# Altium PCB AudioBoxAmpV3-3.PcbDoc (part 2 of 2)
Units mil, origin at the board's own origin, x right, y up, seen from the top; angles counter-clockwise.
Board outline 3662 x 3693 mil, 4 copper layers (Top Layer, GND-2, VCC-3, Bottom Layer), stack 23.756 mil thick; 215 components, 159 nets, 712 pads, 147 vias.
Unrouted connection lines stored in the file: 1.
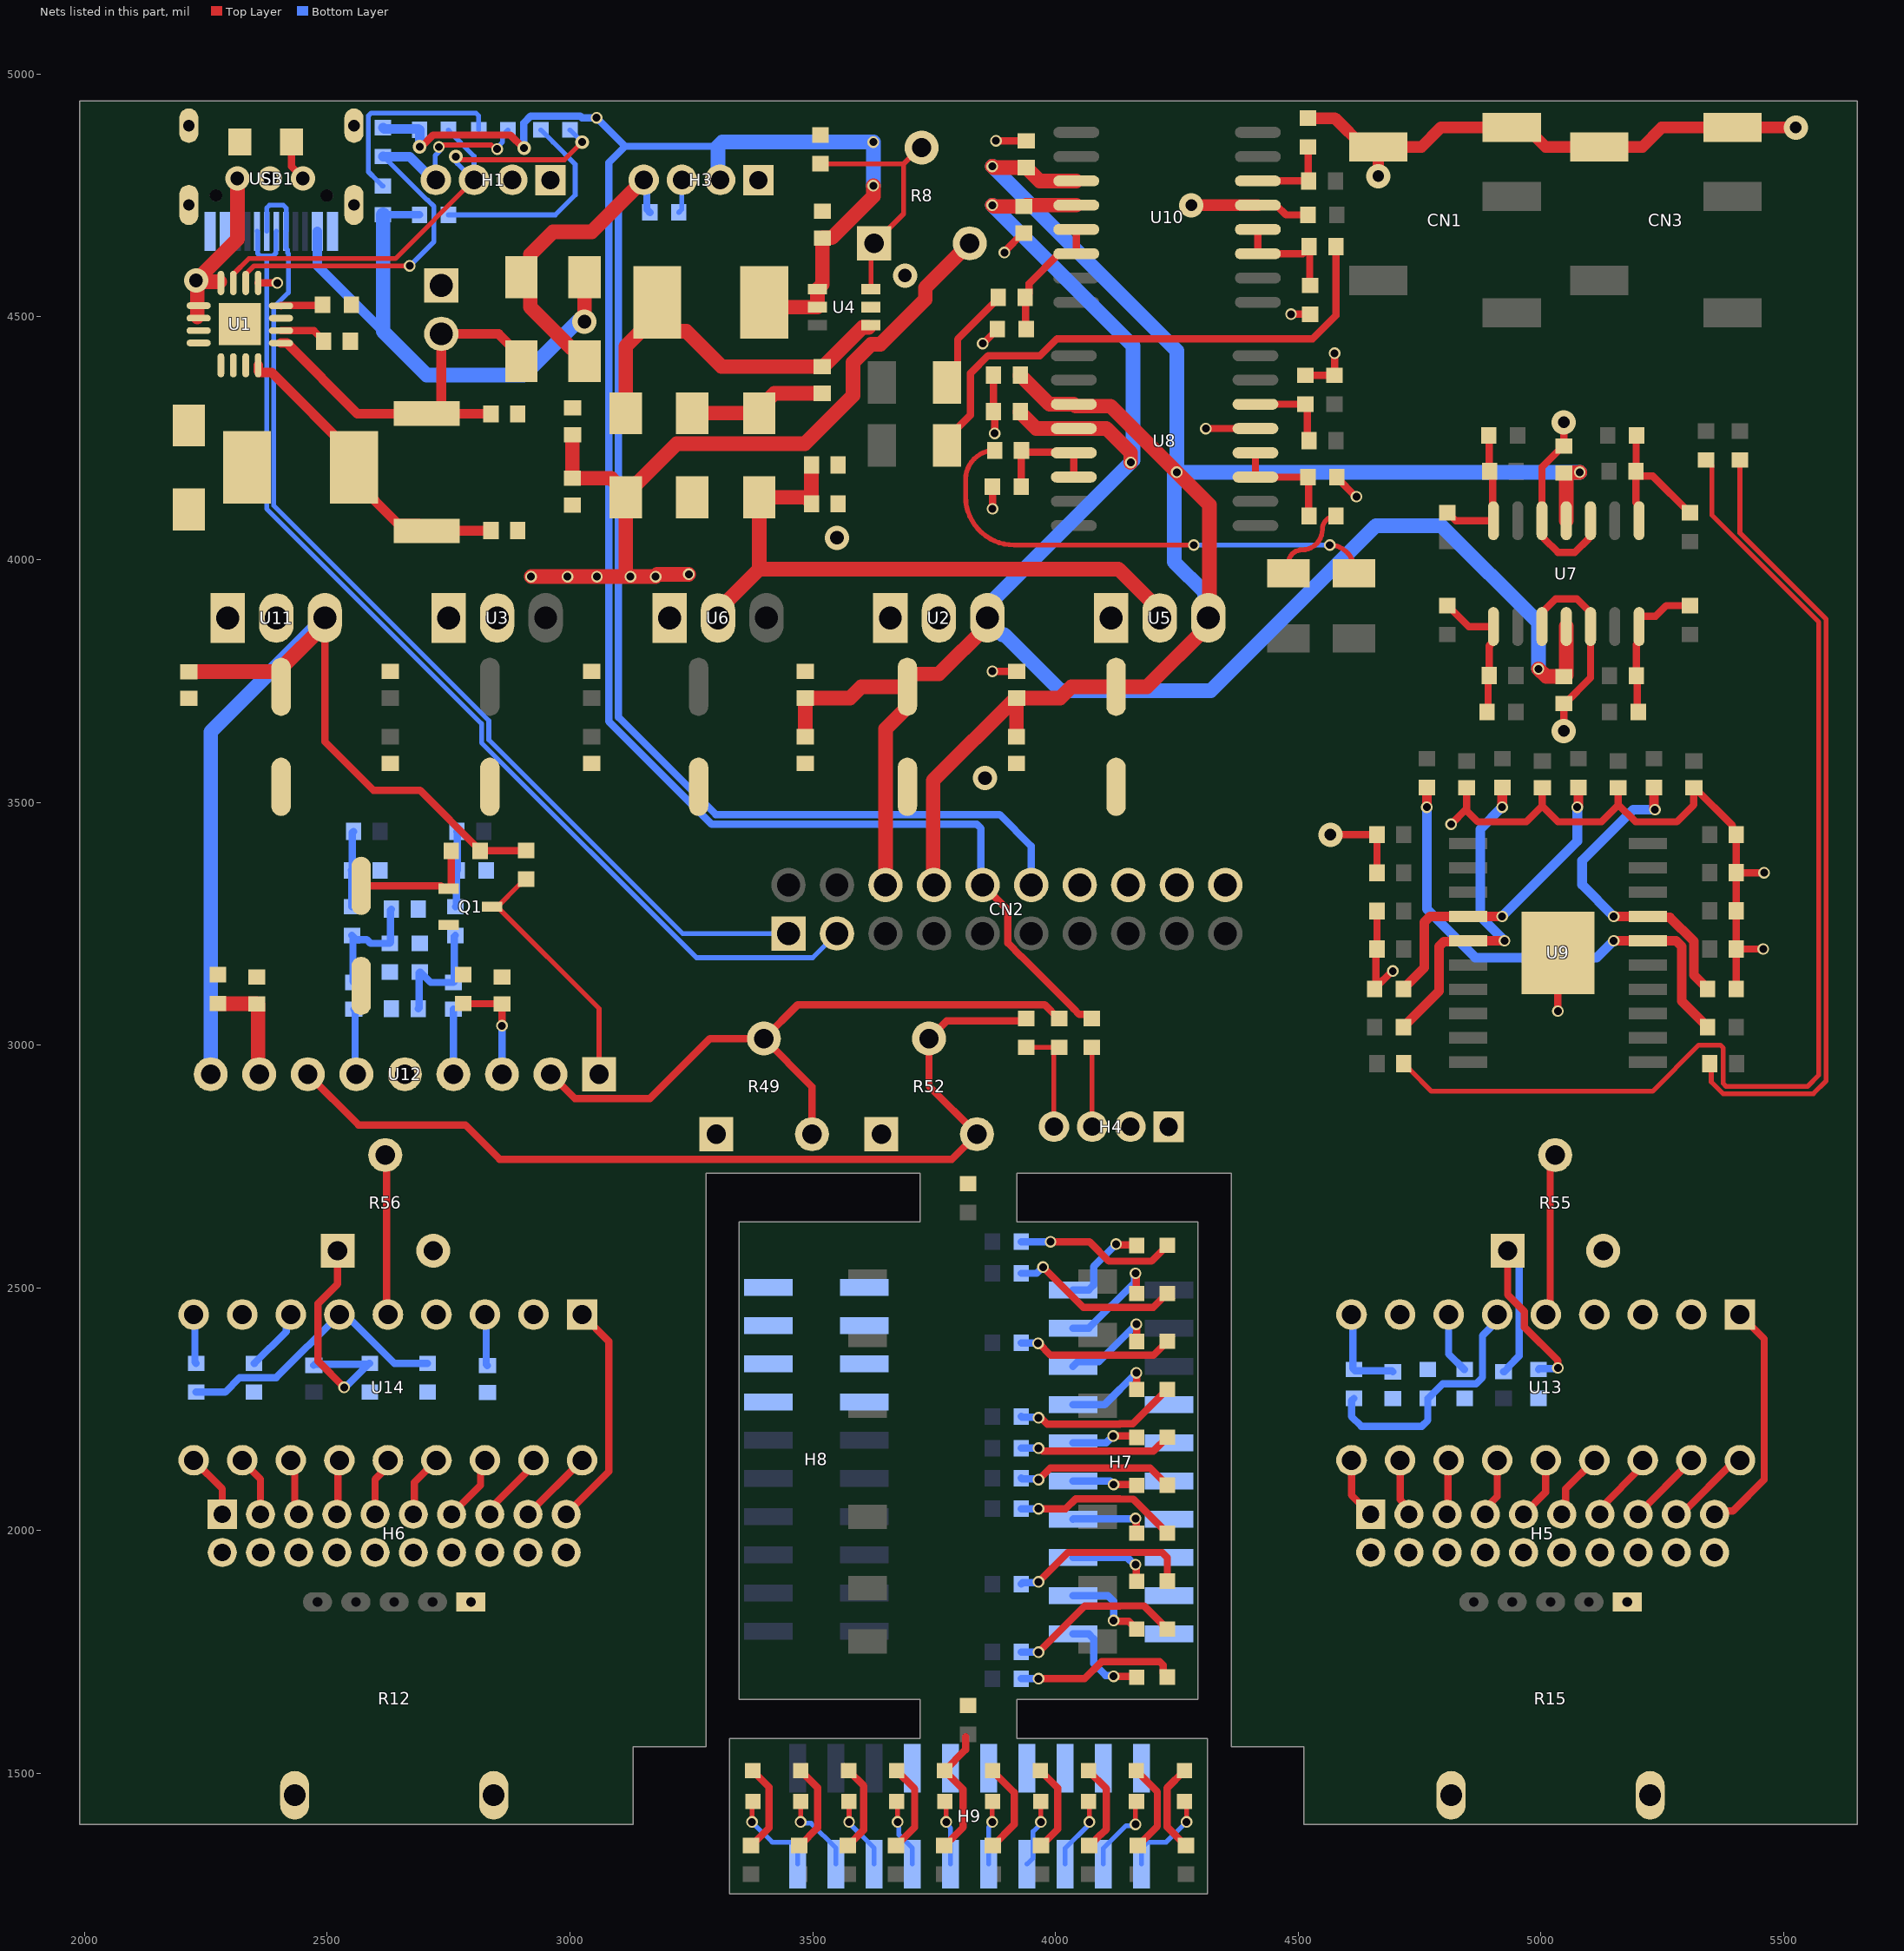
[diagram p4: the nets of this part, all layers, seen from the top]

## Via types
v1: diameter 24, hole 16, Top Layer to Bottom Layer, tented both sides, 124 vias
v2: diameter 50, hole 28, Top Layer to Bottom Layer, tented both sides, 12 vias
v3: diameter 50, hole 24, Top Layer to Bottom Layer, tented both sides, 6 vias
v4: diameter 28, hole 16, Top Layer to Bottom Layer, tented both sides, 4 vias
v5: diameter 50, hole 28, Top Layer to Bottom Layer, 1 vias

## Nets (pads, with @x,y where several pads share a name; then routed paths per layer and width w, separated by ;. In a path a pad name is that pad's centre, name@x,y a point inside that pad or via, vN(x,y) a via of type N, cw(c..) or ccw(c..) an arc to the next point about the centre after c; other vN are vias at no path point) (continued)
GND: C1.2 C2.2 C3.2 C4.2 C5.2 C6.2 C7.2 C8.2 C9.2 C10.2 C11.2 C13.2 C14.2 C15.1 C16.2 C17.2 C18.1 C19.2 C20.2 C21.2 C22.2 C25.1 C26.1 C31.1 C32.1 C33.1 C34.1 C35.1 C36.1 C37.1 C38.1 C39.2 C41.1 C46.2 C48.2 C49.2 C50.2 C51.2 C52.1 C53.2 C55.1 C56.2 C57.2 C60.1 C61.1 C62.2 C66.2 C67.2 CN1.1 CN1.5 CN2.14 CN2.16 CN2.18 CN2.20 CN3.1 CN3.5 D4.2 D8.1 H1.1 H1.2 H2.1 H3.1 H4.1 H4.2 H5.14 H5.15 H5.16 H5.17 H5.18 H5.19 H5.20 H6.14 H6.15 H6.16 H6.17 H6.18 H6.19 H6.20 H7.11 H7.12 H7.13 H7.14 H7.15 H7.16 H7.17 H8.7 H8.8 H8.9 H8.10 H8.11 H8.12 H8.13 H8.14 H9.11 H9.12 H9.13 H9.14 H9.15 H9.16 H9.17 Q1.2 R5.2 R9.1 R12.1 R12.6 R15.1 R15.6 R20.2 R21.1 R22.1 R23.1 R30.1 R31.1 R34.2 R35.1 R36.1 R37.1 R40.1 R41.1 R42.1 R44.2 R45.1 R47.1 R49.1 R52.1 R53.1 R54.1 R55.2 R56.2 R58.2 R59.2 R61.2 R62.2 R84.1 U1.6 U1.7 U1.11 U1.17 U2.2 U3.2 U4.2 U5.1 U6.1 U7.3 U7.5 U7.10 U7.12 U8.5 U9.21 U10.5 U11.2 U12.5 U13.2 U13.4 U13.8 U14.2 U14.4 U14.8 USB1.A1B12 USB1.B1A12 USB1.EP | length 4727.2
  Top Layer w15: v1(3850.34,4445) 3851.48,4445 3880.34,4473.87 R35.1@3880.34,4475 ; v1(3870.17,3769.83) C16.2@3920,3769.83 ; v1(3870.34,4104.65) R21.1@3870.34,4150 ; C41.1@3872.45,4380 C39.2@3872.45,4305 3875,4302.44 v1(3875,4260) ; v1(3877.45,4862.56) C52.1@3940,4862.56 ; v1(3895,4632.44) 3895,4634.41 3933.03,4672.44 C46.2@3935,4672.44 ; v1(4310,4270) U8.5@4412.02,4270 ; U10.5@4417.02,4730 4455.03,4730 4475.03,4710 R36.1@4520.35,4710 ; v1(4485.35,4505.35) R34.2@4525,4505.35 ; R23.1@4515,4379.65 R22.1@4575,4379.65 v1(4575,4425) ; v3(4566.52,3433.48) C37.1@4662.44,3433.48 C38.1@4662.44,3354.91 ; R20.2@4579.65,4170 4579.65,4168.87 4618.87,4129.65 v1(4620,4129.65) ; R30.1@4657.54,3115.25 4657.54,3116.38 R30.1@4659.99,3118.83 ; C36.1@4662.44,3276.34 C35.1@4662.44,3197.76 4659.99,3195.31 R30.1@4659.99,3118.83 ; v1(4695,3152.7) 4693.87,3152.7 R30.1@4659.99,3118.83 ; v1(4815,3455) 4846.95,3486.95 ; C51.2@4846.95,3530 4846.95,3486.95 ; U7.3@5002.23,3862.14 5002.23,3890.96 5030.06,3918.79 5074.4,3918.79 5102.23,3890.96 U7.5@5102.23,3862.14 5102.23,3756.64 5049.2,3703.6 C25.1@5047.23,3703.6 v3(5047.23,3647.23) ; C49.2@5002.97,3530 5002.97,3492.97 ; v1(5035,3070) U9.21@5035,3190 ; v3(5047.23,4282.77) C26.1@5047.23,4233.71 5045.26,4233.71 5002.23,4190.68 5002.23,4049.3 5006.03,4045.5 5006.03,4043.97 5035,4015 5070,4015 5098.43,4043.43 5098.43,4045.5 5102.23,4049.3 U7.10@5102.23,4080.17 ; C48.2@5158.98,3530 5158.98,3496.02 ; R31.1@5402.46,3115.25 5402.51,3115.29 5402.51,3197.93 C33.1@5402.56,3197.98 ; v1(5457.98,3197.98) C33.1@5402.56,3197.98 ; v1(5459.88,3355.12) C31.1@5402.56,3355.12 ; 4846.95,3486.95 4846.95,3483.05 4870,3460 4970,3460 5002.97,3492.97 ; 5002.97,3492.97 5002.97,3492.03 5035,3460 5125,3460 5158.98,3493.98 5158.98,3496.02 ; 5158.98,3496.02 5195,3460 5280,3460 5315,3495 C50.2@5315,3530 5316.97,3530 5394.31,3452.66 5394.31,3441.94 C32.1@5402.56,3433.7 C31.1@5402.56,3355.12 ; C33.1@5402.56,3197.98 C34.1@5402.56,3276.55 C31.1@5402.56,3355.12
  Top Layer w24: v3(4280,4730) U10.5@4417.02,4730 ; R37.1@4520,4909.31 4575.69,4909.31 4635,4850 CN1.5@4665,4850 ; v3(4665,4790) CN1.5@4665,4850 ; v3(5525,4890) CN3.1@5395,4890 5248.86,4890 5208.86,4850 CN3.5@5120,4850 5010,4850 4970,4890 CN1.1@4940,4890 4793.86,4890 4753.86,4850 CN1.5@4665,4850
  other v2: 3855,3550 3550,4045 3690,4585
NetC1_1: C1.1 U1.10 | length 97.7
  Top Layer w15: U1.10@2404.8,4471.6 2472.81,4471.6 2492.45,4451.97 C1.1@2492.45,4450
NetC4_1: C4.1 L1.1 R7.2 U1.8 | length 658.1
  Top Layer w20: U1.8@2357.8,4400.2 2357.8,4388.31 2360.91,4385.2 2385.63,4385.2 2555.24,4215.59 L1.1@2555.24,4190 2555.24,4164.41 2645.12,4074.53 2689.75,4074.53 R7.2@2705,4059.28 2705.36,4059.64 2837.09,4059.64 C4.1@2837.45,4060
NetC12_2: C12.2 D7.1 D8.2 | length 290.1
  Top Layer w30: D8.2@3252.14,4301.61 D7.1@3390,4301.61 3390,4311.16 3421.28,4342.44 C12.2@3519.79,4342.44
NetC23_2: C23.2 R10.2 R13.1 U7.1 | length 294.2
  Top Layer w15: R13.1@4807.23,3905.21 4808.36,3905.21 4851.43,3862.14 U7.1@4902.23,3862.14 4902.23,3831.27 4893.47,3822.51 C23.2@4893.47,3761.16 4891.33,3759.01 4891.33,3688.31 R10.2@4889.18,3686.16
NetC24_1: C24.1 R11.1 R14.1 U7.14 | length 281.7
  Top Layer w15: R14.1@4807.23,4096.42 4808.36,4096.42 4824.6,4080.17 U7.14@4902.23,4080.17 4900.78,4081.63 4900.78,4175.14 C24.1@4894.08,4181.83 4893.33,4182.59 4893.33,4255.4 R11.1@4892.57,4256.16
NetC27_2: C27.2 R16.2 R18.2 U7.7 | length 313.5
  Top Layer w15: R18.2@5200.63,3686.16 5198.48,3688.31 5198.48,3758.8 C27.2@5196.34,3760.95 5196.34,3825.37 5202.23,3831.27 U7.7@5202.23,3862.14 5202.23,3879.95 5205.74,3883.46 5236.38,3883.46 5258.13,3905.21 R16.2@5307.23,3905.21
NetC28_1: C28.1 R17.2 R19.1 U7.8 | length 325.3
  Top Layer w15: R19.1@5196.88,4256.16 5196.3,4255.58 5196.3,4182.63 C28.1@5195.73,4182.05 C28.1@5195.73,4180.08 ; U7.8@5202.23,4080.17 5202.23,4111.05 5195.73,4117.55 C28.1@5195.73,4180.08 ; R17.2@5307.23,4096.42 5306.1,4096.42 5230.68,4171.83 5203.97,4171.83 C28.1@5195.73,4180.08
NetC29_1: C29.1 R21.2 U8.13 U8.14 | length 235.2
  Top Layer w15: R21.2@3929.66,4150 3929.83,4150.17 3929.83,4224.83 C29.1@3930,4225 3933.55,4221.45 4036.53,4221.45 U8.13@4037.98,4220 U8.14@4037.98,4170
NetC29_2: C29.2 L4.1 | length 1022.8
  Top Layer w10: C29.2@3874.89,4225 ccw(c3874.89,4165.11) 3815,4165.11 3815,4130 ccw(c3915,4130) 3915,4030 v1(4285,4030) ; v1(4565,4030) cw(c4565,3980) 4615,3980 L4.1@4615,3972.05
  Bottom Layer w10: v1(4285,4030) v1(4565,4030)
NetC30_1: C30.1 R20.1 U8.3 U8.4 | length 242.1
  Top Layer w15: U8.4@4412.02,4220 4410,4220 4412.02,4217.98 U8.3@4412.02,4170 R20.1@4520.35,4170 4521.4,4168.95 4521.4,4091.05 C30.1@4522.44,4090
NetC30_2: C30.2 L3.1 | length 173.6
  Top Layer w10: L3.1@4480,3972.05 4480,3992.45 cw(c4507.56,3992.45) 4507.56,4020 ccw(c4507.56,4062.45) 4550,4062.45 cw(c4577.56,4062.45) C30.2@4577.56,4090
NetC40_2: C40.2 R23.2 U8.6 | length 181.6
  Top Layer w15: U8.6@4412.02,4320 4412.19,4320.17 4514.83,4320.17 R23.2@4515,4320.35 4518.72,4316.62 4518.72,4248.72 C40.2@4522.44,4245
NetC42_2: C42.2 R24.2 | length 2370.8
  Top Layer w10: C42.2@4717.56,2962.05 4717.56,2960.08 4728.3,2949.33 4730.27,2949.33 4774.6,2905 5230,2905 5325,3000 5369.75,3000 5375.61,2994.14 5375.61,2920.86 5381.47,2915 5549.14,2915 5572.5,2938.36 5572.5,3871.29 5352.01,4091.78 5352.01,4194.47 5341.13,4205.35 R24.2@5340,4205.35
NetC43_1: C43.1 R25.1 | length 1649
  Top Layer w10: C43.1@5348.06,2962.05 5350.95,2959.15 5350.95,2924.31 5375.25,2900 5460.36,2900 5561.21,2900 5587.5,2926.29 5587.5,3877.5 5410,4055 R25.1@5410,4205.35
NetC44_1: C44.1 R34.1 U10.3 U10.4 | length 244.2
  Top Layer w15: U10.4@4417.02,4680 U10.3@4417.02,4630 4509.41,4630 4522.44,4643.03 C44.1@4522.44,4645 4523.72,4643.72 4523.72,4565.93 R34.1@4525,4564.65
NetC44_2: C44.2 L5.1 | length 1112.8
  Top Layer w15: L5.1@3777.05,4235 3777.05,4249.69 3825.04,4297.68 3825.04,4383.74 3861.3,4420 3968.37,4420 4003.37,4455 4530,4455 4577.56,4502.56 C44.2@4577.56,4645
NetC45_1: C45.1 R35.2 U10.13 U10.14 | length 270.6
  Top Layer w15: R35.2@3939.66,4475 3938.61,4476.05 3938.61,4538.95 C45.1@3937.55,4540 3945.8,4548.25 3945.8,4568.78 4007.03,4630 U10.14@4042.98,4630 U10.13@4042.98,4680
NetC45_2: C45.2 L6.2 | length 218.7
  Top Layer w15: L6.2@3777.05,4365 3798.56,4386.52 3798.56,4454.15 3882.45,4538.03 C45.2@3882.45,4540
NetC47_2: C47.2 R37.2 U10.6 | length 175.6
  Top Layer w15: U10.6@4417.02,4780 C47.2@4521.84,4780 4520.92,4780.92 4520.92,4849.08 R37.2@4520,4850
NetC53_1: C53.1 Q1.1 R38.2 | length 263.9
  Top Layer w15: C53.1@2570,3328 2734.13,3328 2739.73,3322.4 Q1.1@2750.32,3322.4 2752.72,3322.4 2755.69,3325.37 R38.2@2755.69,3400
NetC55_2: C55.2 R41.2 U12.3 | length 225.3
  Top Layer w15: R41.2@2780,3085.7 2780.35,3085.35 2859.65,3085.35 C55.2@2860,3085 v1(2860,3040)
  Bottom Layer w15: U12.3@2860,2940 v1(2860,3040)
NetC58_1: C58.1 C61.2 R43.1 R44.1 | length 253
  Bottom Layer w15: C61.2@2687.55,3075 2689.14,3076.58 2689.14,3148.76 R44.1@2690.72,3150.34 2691.85,3150.34 2713.08,3129.11 C58.1@2760,3129.11 2761.97,3131.09 2761.97,3223.8 R43.1@2763.95,3225.77
NetC58_2: C58.2 U12.4 | length 134
  Bottom Layer w15: U12.4@2760,2940 C58.2@2760,3074
NetC60_2: C60.2 R42.2 U12.8 | length 228.4
  Top Layer w30: R42.2@2275,3085.7 2275.35,3085.35 2354.65,3085.35 C60.2@2355,3085 2356.75,3085 2357.5,3084.25 2357.5,2942.5 U12.8@2360,2940
NetC62_1: C62.1 C63.1 R47.2 R48.1 | length 251.9
  Bottom Layer w15: R48.1@2550.84,3225.77 R48.1@2552.92,3223.69 ; C63.1@2555,3129.11 2552.92,3131.19 R48.1@2552.92,3223.69 ; C62.1@2632.45,3280 2630.56,3278.11 2630.56,3211.54 R47.2@2628.67,3209.66 2589.16,3209.66 2581.43,3217.39 2559.22,3217.39 R48.1@2552.92,3223.69
NetC63_2: C63.2 U12.6 | length 136.1
  Bottom Layer w15: C63.2@2555,3074 2557.5,3071.5 2557.5,2942.5 U12.6@2560,2940
NetD1_2: D1.2 R1.1 | length 441.6
  Bottom Layer w10: R1.1@2749.66,4710 2970,4710 3010.86,4750.86 3010.86,4814.14 2965,4860 D1.2@2940,4885
NetD2_2: D2.2 R3.1 | length 419.1
  Bottom Layer w10: R3.1@2615,4769.65 2613.87,4769.65 2602.99,4780.53 2602.99,4780.71 2584.76,4798.93 2584.76,4914.14 2590.62,4920 2806.34,4920 2812.2,4914.14 D2.2@2812.2,4885
NetD4_1: D4.1 L1.2 U1.3 U1.4 U1.5
NetD9_1: D9.1 H7.10 | length 198.1
  Top Layer w15: v1(4120,1700) 4165.71,1700 D9.1@4167.52,1698.18
  Bottom Layer w15: H7.10@4036.3,1787.35 4068.8,1787.35 4078.8,1777.35 4078.8,1726.2 4103.28,1701.72 4118.28,1701.72 v1(4120,1700)
NetD9_2: D9.2 R63.1 | length 337.8
  Top Layer w15: v1(3965,1695) 4060,1695 4095,1730 4215,1730 4222.23,1722.77 4222.23,1706.71 D9.2@4230.48,1698.46
  Bottom Layer w15: R63.1@3929.66,1695 v1(3965,1695)
NetD10_1: D10.1 H7.9 | length 182.8
  Top Layer w15: v1(4120,1815) 4121.72,1813.28 4151.2,1813.28 D10.1@4167.52,1796.95
  Bottom Layer w15: H7.9@4036.3,1866.05 4108.06,1866.05 4120,1854.11 v1(4120,1815)
NetD10_2: D10.2 R64.1 | length 360.4
  Top Layer w15: v1(3965,1749.5) 4060,1844.5 4132.18,1844.5 4132.68,1845 4182.7,1845 D10.2@4230.48,1797.23
  Bottom Layer w15: R64.1@3929.66,1750 3929.91,1749.75 3964.75,1749.75 v1(3965,1749.5)
NetD11_1: D11.1 H7.8 | length 170.1
  Top Layer w15: v1(4165,1930) 4166.26,1928.74 4166.26,1896.99 D11.1@4167.52,1895.72
  Bottom Layer w15: H7.8@4036.3,1944.75 4147.81,1944.75 4162.56,1930 v1(4165,1930)
NetD11_2: D11.2 R65.1 | length 380.6
  Top Layer w15: v1(3965,1894.5) 4025.5,1955 4220,1955 4230.48,1944.52 D11.2@4230.48,1896
  Bottom Layer w15: R65.1@3929.66,1890 3932.43,1892.78 3963.28,1892.78 v1(3965,1894.5)
NetD12_1: D12.1 H7.7 | length 160.9
  Top Layer w15: v1(4165,2025) 4166.26,2023.74 4166.26,1995.76 D12.1@4167.52,1994.5
  Bottom Layer w15: H7.7@4036.3,2023.45 4037.07,2024.22 4164.23,2024.22 v1(4165,2025)
NetD12_2: D12.2 R66.1 | length 338.6
  Top Layer w15: v1(3965,2045) 4021.32,2045 4041.82,2065.5 4132.18,2065.5 4132.68,2065 4160.25,2065 D12.2@4230.48,1994.77
  Bottom Layer w15: R66.1@3929.66,2045 v1(3965,2045)
NetD13_1: D13.1 H7.6 | length 134.9
  Top Layer w15: v1(4120,2095) 4165.79,2095 D13.1@4167.52,2093.27
  Bottom Layer w15: H7.6@4036.3,2102.15 4112.85,2102.15 v1(4120,2095)
NetD13_2: D13.2 R67.1 | length 326.8
  Top Layer w15: v1(3965,2105) 3965.75,2105 3989.77,2129.02 4195,2129.02 D13.2@4230.48,2093.54
  Bottom Layer w15: R67.1@3929.66,2108.22 3931.27,2106.61 3963.39,2106.61 v1(3965,2105)
NetD14_1: D14.1 H7.5 | length 144.5
  Top Layer w15: v1@4125,2195 v1(4118.83,2195) 4164.56,2195 D14.1@4167.52,2192.04
  Bottom Layer w15: H7.5@4036.3,2180.85 4104.68,2180.85 v1(4118.83,2195)
NetD14_2: D14.2 R68.1 | length 315.2
  Top Layer w15: v1(3965,2170) 3967.44,2170 3973.65,2163.79 4201.95,2163.79 D14.2@4230.48,2192.31
  Bottom Layer w15: R68.1@3929.66,2170 v1(3965,2170)
NetD15_1: D15.1 H7.4 | length 192
  Top Layer w15: v1(4166.7,2325) 4167.11,2324.59 4167.11,2291.22 D15.1@4167.52,2290.81
  Bottom Layer w15: H7.4@4036.3,2259.55 4101.25,2259.55 v1(4166.7,2325)
NetD15_2: D15.2 R69.1 | length 336.9
  Top Layer w15: v1(3965,2232.5) 3969.94,2232.5 3982.94,2219.5 4132.18,2219.5 4132.96,2220.29 4159.68,2220.29 D15.2@4230.48,2291.09
  Bottom Layer w15: R69.1@3929.66,2235 3930.91,2233.75 3963.75,2233.75 v1(3965,2232.5)
NetD16_1: D16.1 H7.3 | length 202.1
  Top Layer w15: v1(4166.7,2425) 4167.11,2424.59 4167.11,2389.99 D16.1@4167.52,2389.58
  Bottom Layer w15: H7.3@4036.3,2338.25 4046.3,2348.25 4089.95,2348.25 v1(4166.7,2425)
NetD16_2: D16.2 R70.1 | length 323.2
  Top Layer w15: v1(3964.13,2385.9) 3965.55,2385.9 3990.12,2361.33 4201.95,2361.33 D16.2@4230.48,2389.86
  Bottom Layer w15: R70.1@3929.66,2386.88 3930.14,2386.39 3963.64,2386.39 v1(3964.13,2385.9)
NetD17_1: D17.1 H7.2 | length 228.1
  Top Layer w15: v1(4165,2530) 4166.26,2528.74 4166.26,2489.61 D17.1@4167.52,2488.35
  Bottom Layer w15: H7.2@4036.3,2416.95 4068.8,2416.95 4163.28,2511.43 4163.28,2528.28 v1(4165,2530)
NetD17_2: D17.2 R71.1 | length 352.2
  Top Layer w15: v1(3974.48,2542.85) 4057.22,2460.1 4201.95,2460.1 D17.2@4230.48,2488.63
  Bottom Layer w15: R71.1@3929.66,2530 3961.63,2530 v1(3974.48,2542.85)
NetD18_1: D18.1 H7.1 | length 193.8
  Top Layer w15: v1(4125,2590) 4126.44,2588.56 4166.09,2588.56 D18.1@4167.52,2587.12
  Bottom Layer w15: H7.1@4036.3,2495.65 4068.8,2495.65 4078.8,2505.65 4078.8,2543.8 v1(4125,2590)
NetD18_2: D18.2 R72.1 | length 330.8
  Top Layer w15: v1(3990,2595) 4070,2595 4110,2555 4198.08,2555 D18.2@4230.48,2587.4
  Bottom Layer w15: R72.1@3929.66,2595 v1(3990,2595)
NetD19_1: D19.1 H9.10 | length 191.5
  Top Layer w10: D19.1@4265.82,1442.48 4270,1438.3 v1(4270,1400)
  Bottom Layer w10: H9.10@4177.65,1313.3 4177.65,1345.8 4190.15,1358.3 4228.3,1358.3 v1(4270,1400)
NetD19_2: D19.2 R73.1 | length 185.3
  Top Layer w15: D19.2@4265.54,1505.43 4230,1469.88 4230,1389.51 4267.86,1351.65 R73.1@4268.99,1351.65
NetD20_1: D20.1 H9.9 | length 167.3
  Top Layer w10: v1(4165,1395) 4165,1440.43 D20.1@4167.05,1442.48
  Bottom Layer w10: H9.9@4098.95,1313.3 4098.95,1345.8 4145.47,1392.32 4162.32,1392.32 v1(4165,1395)
NetD20_2: D20.2 R74.1 | length 189.1
  Top Layer w15: D20.2@4166.77,1505.43 4210,1462.2 4210,1391.08 4170.57,1351.65 R74.1@4169.44,1351.65
NetD21_1: D21.1 H9.8 | length 150.5
  Top Layer w10: D21.1@4068.28,1442.48 4070,1440.75 v1(4070,1400)
  Bottom Layer w10: H9.8@4020.25,1313.3 4020.25,1345.8 4067.32,1392.87 4067.32,1397.32 v1(4070,1400)
NetD21_2: D21.2 R75.1 | length 184.7
  Top Layer w15: D21.2@4068,1505.43 4105,1468.43 4105,1385 4094.39,1374.39 4093.75,1374.39 4071.02,1351.65 R75.1@4069.88,1351.65
NetD22_1: D22.1 H9.7 | length 141.2
  Top Layer w10: D22.1@3969.51,1442.48 3970,1441.98 v1(3970,1400)
  Bottom Layer w10: H9.7@3941.55,1313.3 3954.05,1325.8 3954.05,1380.26 3970,1396.21 v1(3970,1400)
NetD22_2: D22.2 R76.1 | length 183.6
  Top Layer w15: D22.2@3969.23,1505.43 4005,1469.66 4005,1385.19 3971.46,1351.65 R76.1@3970.33,1351.65
NetD23_1: D23.1 H9.6 | length 132.4
  Top Layer w10: v1(3870,1400) 3870,1441.74 D23.1@3870.73,1442.48
  Bottom Layer w10: H9.6@3862.85,1313.3 3862.85,1389.06 3870,1396.21 v1(3870,1400)
NetD23_2: D23.2 R77.1 | length 191.2
  Top Layer w15: D23.2@3870.46,1505.43 3915,1460.89 3915,1394.75 3871.91,1351.65 R77.1@3870.78,1351.65
NetD24_1: D24.1 H9.5 | length 134.2
  Top Layer w10: D24.1@3771.96,1442.48 3775,1439.44 v1(3775,1400)
  Bottom Layer w10: v1(3775,1400) 3775,1396.21 3784.15,1387.06 H9.5@3784.15,1313.3
NetD24_2: D24.2 R78.1 | length 274.2
  Top Layer w15: R78.1@3771.22,1351.65 3772.36,1351.65 3810,1389.3 3810,1467.11 D24.2@3771.69,1505.43 3815,1548.74 3815,1575.35
NetD25_1: D25.1 H9.4 | length 142.5
  Top Layer w10: D25.1@3673.19,1442.48 3675,1440.67 v1(3675,1400)
  Bottom Layer w10: v1(3675,1400) 3677.68,1397.32 3677.68,1373.57 3705.45,1345.8 H9.4@3705.45,1313.3
NetD25_2: D25.2 R79.1 | length 185.7
  Top Layer w15: R79.1@3671.67,1351.65 3672.8,1351.65 3710,1388.85 3710,1468.34 D25.2@3672.92,1505.43
NetD26_1: D26.1 H9.3 | length 150.9
  Top Layer w10: D26.1@3574.42,1442.48 3575,1441.9 v1(3575,1400)
  Bottom Layer w10: v1(3575,1400) 3575,1397.55 3626.75,1345.8 H9.3@3626.75,1313.3
NetD26_2: D26.2 R80.1 | length 180.8
  Top Layer w15: R80.1@3572.12,1351.65 3573.25,1351.65 3605,1383.41 3605,1474.57 D26.2@3574.14,1505.43
NetD27_1: D27.1 H9.2 | length 170.7
  Top Layer w10: v1(3475,1400) 3475,1441.83 D27.1@3475.65,1442.48